# Altium PCB MB1292.PcbDoc (part 3 of 4) (continued)
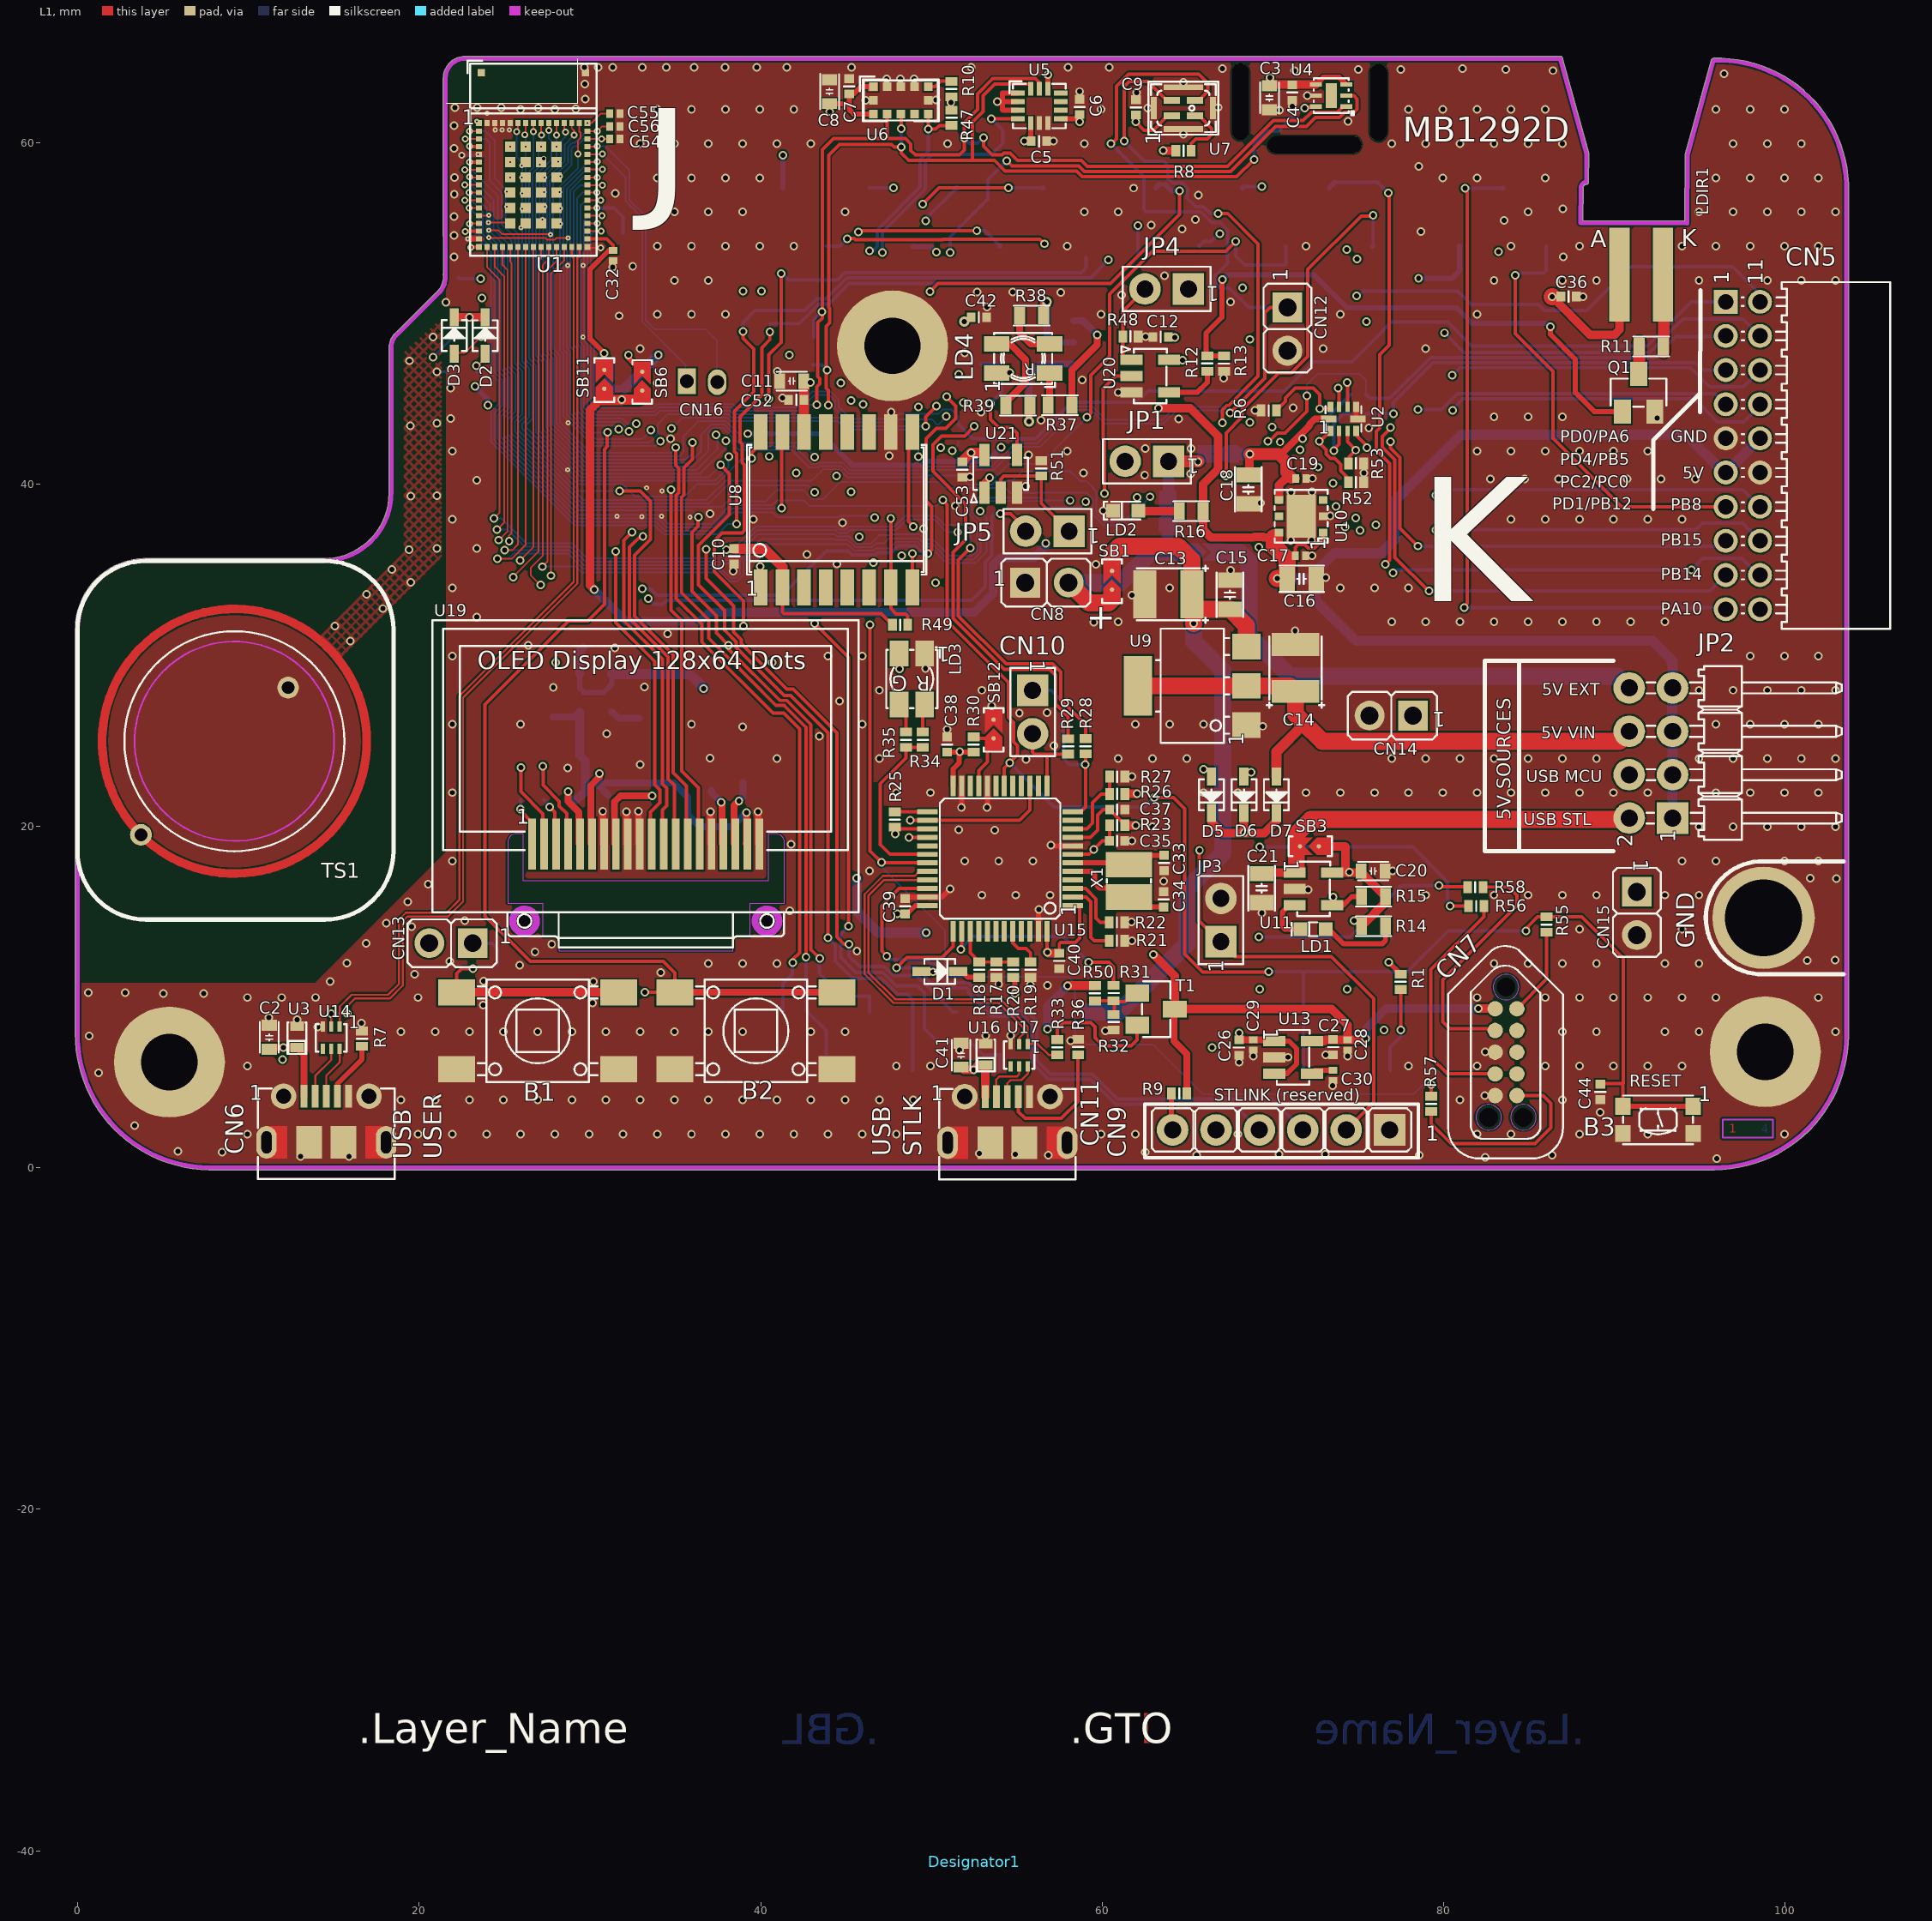
[diagram p0: L1 view]
## Nets (pads, with @x,y where several pads share a name; then routed paths per layer and width w, separated by ;. In a path a pad name is that pad's centre, name@x,y a point inside that pad or via, vN(x,y) a via of type N, cw(c..) or ccw(c..) an arc to the next point about the centre after c; other vN are vias at no path point) (continued)
  L1 w0.3: 30.628,46.714 30.846,46.932 v1(30.846,47.685) 30.846,47.687 30.016,48.517 30.016,52.321 30.017,52.322 30.017,52.611 31.111,53.705 C32.1@31.372,53.705
  L4 w0.3: v1(30.846,47.685) 30.846,47.08 30.811,47.045 SB10.2@30.932,46.924
NetC33_1: C33.1 U15.6 X1.2 | length 5.6
  L1 w0.3: U15.6@58.272,17.841 61.46,17.841 X1.2@61.566,17.735 62.117,18.287 C33.1@63.623,18.287
NetC34_1: C34.1 U15.5 X1.1 | length 5.1
  L1 w0.3: U15.5@58.272,17.341 59.369,17.341 59.559,17.151 59.559,16.643 59.838,16.363 X1.1@60.397,16.363 ; X1.1@61.566,15.835 62.148,15.253 C34.1@63.598,15.253
NetC46_1: C46.1 U19.2 | length 5.5
  L1 w0.2: v1(25.955,23.425) 25.955,22.014 27.249,20.72 U19.2@27.249,18.98
  L4 w0.2: C46.1@25.929,22.931 25.929,23.399 v1(25.955,23.425)
NetC46_2: C46.2 U19.1 | length 2.8
  L1 w0.2: v1(25.929,20.986) 25.929,20.91 26.549,20.291 U19.1@26.549,18.98
  L4 w0.2: v1(25.929,20.986) C46.2@25.929,21.531
NetC47_1: C47.1 U19.3 | length 2.8
  L1 w0.2: v1(27.657,21.113) 27.949,20.821 U19.3@27.949,18.98
  L4 w0.2: C47.1@27.301,21.531 27.657,21.175 v1(27.657,21.113)
NetC47_2: C47.2 U19.4 | length 5.7
  L1 w0.2: v1(27.25,23.501) 27.276,23.526 27.276,22.383 28.207,21.452 28.207,21.175 28.649,20.733 U19.4@28.649,18.98
  L4 w0.2: v1(27.25,23.501) 27.25,22.982 C47.2@27.301,22.931
NetC48_1: C48.1 U19.6 U19.19 | length 18.3
  L1 w0.4: U19.6@30.049,18.98 30.049,22.362 30.552,22.866 v1(30.552,23.069) ; U19.19@39.149,18.98 39.163,18.994 v1(39.163,20.783)
  L4 w0.4: v1(30.552,23.069) C48.1@30.552,22.39 ; C48.1@31.06,21.818 30.52,22.358 C48.1@30.552,22.39 ; v1(39.163,20.783) 38.35,19.97 36.394,19.97 35.734,20.631 35.734,21.697 34.921,22.51 30.672,22.51 C48.1@30.552,22.39
NetC51_1: C51.1 U19.18 | length 3.8
  L1 w0.4: U19.18@38.449,18.98 38.449,21.212 38.731,21.494 v1(38.731,21.469)
  L4 w0.4: v1(38.731,21.469) 38.96,21.697 C51.1@38.96,22.554
NetCN2_1: CN2.1 R1.1 | length 5
  L1 w0.2: R1.1@77.477,10.43 77.495,10.412 v1(77.495,8.066)
  L4 w0.2: CN2.1@76.863,5.69 76.863,7.027 77.495,7.659 v1(77.495,8.066)
NetCN6_2: CN6.2 U14.5 | length 3.2
  L1 w0.12: CN6.2@13.916,4.179 13.916,5.366 14.855,6.305 U14.5@14.855,6.95
NetCN6_3: CN6.3 U14.6 | length 3.1
  L1 w0.12: CN6.3@14.566,4.179 14.566,5.381 15.355,6.17 U14.6@15.355,6.95
NetCN6_4: CN6.4 R7.2 | length 3.5
  L1 w0.3: CN6.4@15.216,4.179 15.216,4.904 16.658,6.346 R7.2@16.658,7.1
NetCN8_2: CN8.2 SB1.1 SB4.1 SB5.1 | length 11.9
  L1 w1: CN8.2@58.036,34.254 59.23,33.06 60.373,33.06 60.576,33.263
  L4 w0.7: 63.832,36.47 63.832,37.74
  L4 w1: CN8.2@58.036,34.254 61.091,34.254 62.869,36.032 64.841,36.032
NetCN9_6: CN9.6 R9.2 | length 2.2
  L1 w0.3: R9.2@64.057,4.34 64.057,2.276 CN9.6@64.126,2.207
NetCN11_2: CN11.2 U17.5 | length 2.9
  L1 w0.12: CN11.2@53.799,4.157 53.799,5.154 53.985,5.34 55.017,5.34 55.139,5.462 U17.5@55.139,5.934
NetCN11_3: CN11.3 U17.6 | length 2.6
  L1 w0.12: CN11.3@54.449,4.157 54.449,4.932 54.637,5.12 55.264,5.12 55.649,5.505 55.649,5.925 U17.6@55.639,5.934
NetCN16_1: CN16.1 U1.43 | length 16.2
  L1 w0.1: U1.43@29.865,59.333 v3@30.702,59.333
  L4 w0.1: v3(30.726,59.357) 32.092,57.991 32.092,56.595 33.075,55.612 33.075,49.528 35.606,46.997 35.606,46.116 CN16.1@35.685,46.037
NetCN16_2: CN16.2 U1.44 | length 19.3
  L1 w0.1: U1.44@29.865,59.783 v3@30.413,59.783
  L1 w0.2: v3@30.413,59.783 v3(30.425,59.795)
  L4 w0.1: v3(30.425,59.795) 30.935,59.795 32.311,58.419 32.311,56.659 33.275,55.695 33.275,49.611 33.814,49.072 36.801,49.072 37.445,48.428 37.445,45.998 CN16.2@37.458,45.985
NetD1_2: D1.2 R18.2 | length 0.9
  L1 w0.3: D1.2@51.964,11.309 52.135,11.138 R18.2@52.807,11.138
NetJP2_8: JP2.8 SB4.2 | length 29.6
  L4 w1: 67.072,36.028 68.051,36.028 68.057,36.034 68.601,35.49 68.601,31.163 70.983,28.781 90.165,28.781 JP2.8@90.86,28.086
NetJP4_2: JP4.2 R48.1 U20.1 | length 4.6
  L1 w0.2: U20.1@61.185,47.443 61.209,47.467 R48.1@61.209,48.661 61.209,50.149 JP4.2@62.507,51.447
NetJP5_1: JP5.1 R51.2 U21.2 | length 7.1
  L1 w0.2: U21.2@54.052,39.523 54.052,40.303 54.241,40.492 R51.2@56.432,40.492 56.432,38.895 JP5.1@58.063,37.264
NetLD1_1: LD1.1 R14.1 | length 4.8
  L1 w0.3: LD1.1@73.098,13.959 73.276,13.959 74.14,13.095 76.4,13.095 76.592,13.287 R14.1@76.592,14.137
NetLD1_2: LD1.2 U11.3 | length 2.9
  L1 w0.3: U11.3@71.27,15.371 70.955,15.371 70.558,14.975 70.558,14.086 70.685,13.959 LD1.2@71.598,13.959
NetLD2_1: LD2.1 R16.1 | length 2.4
  L1 w0.5: LD2.1@62.128,38.468 62.154,38.442 R16.1@64.511,38.442
NetLD3_2: LD3.2 R34.1 | length 1.7
  L1 w0.2: R34.1@49.501,25.5 49.501,27.005 LD3.2@49.604,27.108
NetLD3_3: LD3.3 R35.1 | length 1.8
  L1 w0.2: LD3.3@48.104,27.108 48.51,26.701 R35.1@48.51,25.5
NetLD4_2: LD4.2 R39.1 | length 5.1
  L1 w0.4: LD4.2@53.82,48.227 54.596,48.227 55.519,47.305 55.519,45.977 R39.1@54.354,44.812
NetLD4_3: LD4.3 R37.1 | length 1.9
  L1 w0.4: R37.1@56.829,44.634 56.92,44.725 LD4.3@56.92,46.527
NetLD4_4: LD4.4 R38.1 | length 3
  L1 w0.4: R38.1@55.167,49.892 55.167,48.876 55.815,48.227 LD4.4@56.92,48.227
NetLDIR1_2: LDIR1.2 R11.1 | length 3.6
  L1 w0.3: LDIR1.2@92.836,52.29 LDIR1.2@92.858,52.268
  L1 w0.7: R11.1@92.888,47.757 LDIR1.2@92.888,51.357
NetQ1_1: Q1.1 R12.1 R13.2 | length 34.2
  L1 w0.3: v1(67.047,52.006) 67.006,51.965 67.006,49.785 66.08,48.859 66.08,47.536 R13.2@67.135,47.536 ; v1(86.251,49.241) 86.251,48.781 87.713,47.319 87.713,45.375 88.817,44.271 Q1.1@90.458,44.271
  L4 w0.3: v1(67.047,52.006) 67.307,52.266 72.407,52.266 74.327,50.346 80.751,50.346 81.661,49.436 86.056,49.436 v1(86.251,49.241)
NetQ1_3: Q1.3 R11.2 | length 1.1
  L1 w0.7: 91.445,47.244 R11.2@91.445,48.337
NetR8_1: R8.1 U7.2 | length 3.5
  L1 w0.2: R8.1@65.215,59.54 65.215,59.964 65.48,60.229 66.154,60.229 66.419,60.494 66.419,60.845 65.682,61.582 U7.2@65.427,61.582
NetR10_2: R10.2 U6.5 | length 1.5
  L1 w0.2: U6.5@49.807,63.288 50.215,63.288 50.554,63.627 51.142,63.627 R10.2@51.172,63.597
NetR12_2: R12.2 U20.4 | length 3.1
  L1 w0.3: U20.4@63.911,45.397 65.576,45.397 66.15,45.971 R12.2@66.15,46.628
NetR19_2: R19.2 U15.44 | length 2.5
  L1 w0.2: U15.44@54.772,13.841 54.772,13.15 55.089,12.833 55.546,12.833 55.805,12.574 R19.2@55.805,12.038
NetR21_1: R21.1 U15.2 | length 4.4
  L1 w0.2: U15.2@58.272,15.841 59.066,15.841 59.33,15.576 59.33,13.493 59.534,13.29 R21.1@60.412,13.29
NetR22_2: R22.2 U15.3 | length 3.6
  L1 w0.2: U15.3@58.272,16.341 59.023,16.341 59.635,15.728 59.635,14.611 59.889,14.357 R22.2@60.412,14.357
NetR30_1: R30.1 SB12.1 U15.21 | length 3.9
  L1 w0.2: R30.1@52.472,25.221 52.567,25.126 SB12.1@53.641,25.126 ; U15.21@52.772,22.341 52.772,23.241 53.285,23.755 53.285,24.847
NetR31_1: R31.1 R32.2 R50.1 T1.1 | length 2.9
  L1 w0.2: R50.1@59.575,9.754 59.589,9.768 R31.1@60.673,9.768 ; R32.2@60.724,8.922 60.724,9.717 61.341,9.717 T1.1@61.588,9.964
NetR33_2: R33.2 T1.2 | length 7.4
  L1 w0.2: R33.2@57.374,7.497 57.374,8.137 57.727,8.49 59.327,8.49 59.581,8.236 59.581,7.601 60.064,7.119 61.689,7.119 62.055,7.484 T1.2@62.055,8.328
NetR37_2: R37.2 U18.1 | length 6.5
  L1 w0.4: R37.2@58.229,44.634 58.229,46.698 59.705,48.174 v1(59.705,48.768)
  L4 w0.4: U18.1@58.324,49.587 58.886,49.587 v1(59.705,48.768)
NetR38_2: R38.2 U18.2 | length 4.7
  L1 w0.4: R38.2@56.567,49.892 56.567,50.632 56.623,50.688 v5(56.759,50.688)
  L4 w0.4: v5(56.759,50.688) 56.767,50.68 56.767,48.698 57.148,48.317 U18.2@58.324,48.317
NetR39_2: R39.2 U18.3 | length 6.5
  L1 w0.4: v5(55.726,43.694) 55.726,44.569 R39.2@55.765,44.609
  L4 w0.4: v5@55.726,43.644 v5(55.726,43.694) 55.726,46.361 56.411,47.047 U18.3@58.324,47.047
NetR41_2: R41.2 TS1.1 | length 24.5
  L2 w0.15: TS1.1@12.331,28.106 12.392,28.106 20.296,36.01 20.296,46.945 20.807,47.456 v1(20.813,47.456)
  L4 w0.15: v1(20.813,47.456) 21.918,48.561 R41.2@21.984,48.561
NetR43_2: R43.2 U19.17 | length 3.4
  L1 w0.4: v1(37.698,21.384) 37.681,21.384 37.664,21.367 37.749,21.283 U19.17@37.749,18.98
  L4 w0.4: R43.2@37.105,22.09 37.105,21.977 v1(37.698,21.384)
NetU18_6: U18.6 U21.4 | length 7.7
  L1 w0.2: v1(53.465,44.748) 53.465,43.808 53.927,43.346 54.66,43.346 55.002,43.004 U21.4@55.002,41.723
  L4 w0.2: U18.6@52.924,47.047 53.851,47.047 54.095,46.803 54.095,45.378 v1(53.465,44.748)
NRST: B3.1 B3.3 C44.1 CN2.3 R55.2 U1.10 U15.18 | length 132.6
  L1 w0.1: v3@22.949,57.083 U1.10@23.515,57.083
  L1 w0.2: v3(22.934,57.098) v3@22.949,57.083 ; v1(50.67,39.087) 50.933,38.824 50.933,31.988 54.499,28.422 54.499,26.372 54.802,26.069 54.802,24.94 55.048,24.694 55.048,24.171 54.272,23.395 U15.18@54.272,22.341 ; v1(63.039,21.664) 64.174,21.664 64.832,21.006 64.832,12.501 65.88,11.453 69.746,11.453 v7(69.756,11.463) ; v1(84.819,13.856) 84.819,13.937 84.931,14.05 84.931,14.121 85.49,14.68 R55.2@86.023,14.68 86.033,14.69 88.079,14.69 90.504,12.265 90.504,4.934 ; C44.1@89.169,4.88 89.216,4.927 90.497,4.927 B3.3@90.497,3.595
  L1 w0.3: B3.3@90.497,3.595 B3.1@94.597,3.595
  L4 w0.1: v3(22.934,57.098) 23.015,57.098 23.965,56.148 23.965,54.708 24.797,53.876 24.797,46.756 25.25,46.303 25.25,44.45 24.797,43.997 24.797,42.764 29.353,38.208 34.072,38.208 34.601,37.679 37.122,37.679 38.237,38.794 40.682,38.794 40.963,39.075 42.514,39.075 42.841,38.748 50.314,38.748 v1@50.641,39.075
  L4 w0.2: v1(50.67,39.087) v1@50.685,39.087 ; v1(54.578,23.704) 57.17,21.112 62.487,21.112 v1(63.039,21.664) ; v7(69.756,11.463) 71.755,11.463 ; CN2.3@71.783,5.69 71.783,11.435 71.755,11.463 ; v1(84.819,13.856) 80.258,13.856 77.865,11.463 71.755,11.463
PWR_ENn: R15.1 U11.4 U15.28 | length 30
  L1 w0.2: v1@48.71,19.341 U15.28@49.772,19.341
  L1 w0.3: v1(48.697,19.328) v1@48.71,19.341 ; U11.4@73.47,15.371 74.13,15.371 74.622,15.864 R15.1@75.192,15.864
  L3 w0.2: v1(48.697,19.328) 48.697,18.085 49.392,17.39 71.979,17.39 v1(73.53,15.839)
PWR_EXT: R17.2 R18.1 R20.1 U15.39 | length 4
  L1 w0.2: U15.39@52.272,13.841 52.272,12.574 R18.1@52.807,12.038 R17.2@53.798,12.038 R20.1@54.789,12.038
QSPI_BK_IO0: U1.11 U8.15 U20.2 | length 68.2
  L1 w0.1: v3(22.668,56.634) 22.669,56.633 U1.11@23.515,56.633 ; U8.15@41.219,43.01 U8.15@41.271,43.062
  L1 w0.2: v1(41.219,38.612) U8.15@41.219,43.01 ; v1(60.125,39.469) 60.125,42.606 60.056,42.675 60.056,45.615 60.788,46.347 U20.2@61.711,46.347
  L2 w0.1: v1(41.219,38.612) 41.355,38.748 41.755,38.348 44.553,38.348 44.556,38.351 45.054,38.351 45.057,38.348 46.121,38.348 46.424,38.651 47.137,38.651 47.288,38.802 49.08,38.802 49.531,38.351 51.729,38.351 52.257,38.879 55.628,38.879 56.417,39.668 58.401,39.668 58.472,39.597 59.997,39.597 v1(60.125,39.469)
  L4 w0.1: v3(22.668,56.634) 23.055,56.634 23.734,55.955 23.734,54.654 24.48,53.908 24.597,53.791 24.597,46.673 25.05,46.22 25.05,44.533 24.597,44.08 24.597,42.681 29.27,38.008 33.988,38.008 34.517,37.479 37.205,37.479 38.32,38.594 40.765,38.594 40.783,38.612 v1(41.219,38.612)
QSPI_BK_IO1: U1.80 U8.8 | length 42.7
  L1 w0.1: v1(48.891,35.943) v1(48.891,35.943)
  L1 w0.2: U8.8@48.891,33.962 U8.8@48.891,33.971 v1(48.891,35.943)
  L2 w0.1: v2(26.039,56.144) 26.039,55.82 26.276,55.583 26.276,54.166 26.805,53.637 26.805,40.055 31.204,35.656 36.991,35.656 37.121,35.786 38.489,35.786 39.04,36.337 44.873,36.337 44.877,36.333 48.501,36.333 v1(48.891,35.943)
QSPI_BK_IO2: U1.81 U8.9 | length 45.1
  L1 w0.1: U8.9@48.651,42.822 U8.9@48.891,43.062
  L1 w0.2: U8.9@48.651,42.822 48.651,37.825 v1(48.945,37.531)
  L2 w0.1: v2(27.367,56.261) 27.513,56.115 27.513,54.866 27.351,54.704 27.351,54.533 27.805,54.079 27.805,40.469 31.206,37.068 32.017,37.068 32.569,36.516 35.821,36.516 36.46,37.155 44.552,37.155 44.556,37.151 45.435,37.151 45.617,37.333 45.949,37.333 46.022,37.26 48.674,37.26 v1(48.945,37.531)
QSPI_BK_IO3: U1.67 U8.1 | length 31.5
  L1 w0.1: U1.67@26.24,55.039 U1.67@26.24,55.283
  L2 w0.1: v2(25.976,55.045) 25.976,54.183 26.605,53.554 26.605,39.972 31.121,35.456 36.815,35.456 37.748,34.523 39.298,34.523 v1(39.977,35.202)
QSPI_BK_NCS: R49.1 U1.70 U8.7 | length 43.9
  L1 w0.1: v1(47.619,38.002) v1@47.621,38.004
  L1 w0.2: v1@47.621,38.004 U8.7@47.621,33.971 47.621,32.743 47.94,32.424 48.474,32.424 48.616,32.282 R49.1@48.616,31.779
  L2 w0.1: v2(28.273,56.168) 28.571,55.87 28.571,55.145 28.5,55.074 28.5,54.7 28.405,54.605 28.405,40.717 31.348,37.774 32.182,37.774 32.21,37.802 32.766,37.802 32.889,37.679 38.041,37.679 38.437,38.075 38.769,38.075 39.489,37.355 44.635,37.355 44.639,37.351 45.352,37.351 45.534,37.533 46.032,37.533 46.105,37.46 47.077,37.46 v1(47.619,38.002)
QSPI_BK_SCK: U1.56 U8.16 | length 36.6
  L1 w0.1: v3(25.725,60.661) 25.79,60.726 U1.56@25.79,61.158
  L1 w0.2: v1(39.464,41.52) 39.464,41.861 40.001,42.398 U8.16@40.001,43.062
  L4 w0.1: v3(25.725,60.661) 25.725,59.16 26.04,58.845 26.04,47.21 26.45,46.8 26.45,43.953 26.04,43.543 26.04,43.278 29.292,40.026 31.561,40.026 31.562,40.027 31.894,40.027 32.627,39.294 35.537,39.294 36.269,40.026 37.153,40.026 37.427,40.026 38.906,41.505 39.478,41.505 39.57,41.597 39.464,41.703 v1(39.464,41.52)
RST_DISP: U1.83 U19.12 | length 43.1
  L1 w0.2: v1(32.459,37.202) 31.992,36.735 31.992,32.024 34.249,29.767 34.249,22.478 34.505,22.222 34.505,21.194 34.249,20.938 U19.12@34.249,18.98
  L2 w0.1: v2(27.347,57.98) 27.347,57.543 27.928,56.962 27.928,54.831 28.005,54.754 28.005,40.552 31.289,37.268 32.393,37.268 v1(32.459,37.202)
SAI1_CK2: CN12.1 U1.50 U7.3 | length 101.8
  L1 w0.1: U1.50@28.49,61.158 28.49,60.81 28.586,60.714 v3(28.586,60.633)
  L1 w0.2: v1@60.509,59.901 60.844,60.236 60.844,63.322 61.548,64.026 65.663,64.026 66.187,63.502 66.187,63.009 65.66,62.482 U7.3@65.427,62.482 ; v1(67.488,44.177) 69.522,46.211 69.522,50.053 69.836,50.367 CN12.1@70.846,50.367
  L4 w0.1: v3(28.586,60.633) 28.586,60.381 28.329,60.124 28.329,59.032 27.259,57.962 27.259,47.688 27.65,47.297 27.65,43.392 29.797,41.245 35.811,41.245 36.5,41.934 36.5,42.886 37.132,43.518 37.867,43.518 38.574,42.811 38.574,42.563 38.897,42.24 41.964,42.24 42.999,41.205 43.331,41.205 43.412,41.286 44.782,41.286 45.235,40.833 49.571,40.833 49.796,41.058 53.534,41.058 54.489,42.013 54.489,42.016 54.872,42.399 56.193,42.399 56.193,42.415 58.334,44.556 59.439,44.556 60.22,43.775 63.507,43.775 64.275,44.543 67.122,44.543 67.429,44.236 v1(67.488,44.177)
  L4 w0.2: v1(60.508,59.954) 62.439,58.023 62.439,56.09 62.556,55.973 65.791,55.973 66.441,55.323 66.903,55.323 67.342,54.884 67.342,52.954 66.597,52.209 66.597,51.82 66.915,51.502 67.452,51.502 68.587,50.367 CN12.1@70.846,50.367
SAI1_DI2: CN14.1 U1.51 U7.4 | length 120.1
  L1 w0.1: v3@28.04,60.481 U1.51@28.04,61.158
  L1 w0.2: v3@28.04,60.481 v3(28.059,60.462) ; v1(61.294,60.107) 61.294,63.294 61.589,63.589 62.677,63.589 63.784,62.482 U7.4@64.077,62.482 ; v1(66.792,55.861) 67.353,55.861 69.124,54.09 69.124,46.339 67.412,44.627 67.302,44.627 67.034,44.359 v1(67.034,43.605)
  L3 w0.2: v1(67.034,43.605) 67.034,41.935 68.292,40.677 68.292,30.494 69.996,28.79 77.661,28.79 78.2,28.251 CN14.1@78.2,26.468
  L4 w0.1: v3(28.059,60.462) 28.059,59.045 27.057,58.043 27.057,47.607 27.45,47.214 27.45,43.307 29.712,41.045 36.018,41.045 36.944,41.971 36.944,43.047 37.215,43.318 37.784,43.318 38.374,42.728 38.374,42.376 38.71,42.04 41.8,42.04 42.835,41.005 43.414,41.005 43.495,41.086 44.7,41.086 45.153,40.633 49.654,40.633 49.879,40.858 53.649,40.858 54.99,42.199 56.361,42.199 58.518,44.356 59.356,44.356 60.14,43.572 63.587,43.572 64.358,44.343 66.829,44.343 67.034,44.138 v1(67.034,43.605)
  L4 w0.2: v1(61.294,60.107) 62.475,58.926 63.598,58.926 63.855,58.669 63.855,57.897 64.118,57.634 64.715,57.634 64.979,57.37 64.979,56.773 65.479,56.273 65.915,56.273 66.327,55.861 v1(66.792,55.861)
Shield: R40.2 TS1.2 | length 51.8
  L2 w0.15: 12.708,29.34 v1(15.073,31.705) ; 12.713,29.335 ccw(c12.328,28.094) 13.587,28.417 ; 13.577,28.427 v1(15.977,30.826) 15.987,30.826 v1(17.888,32.727) 19.439,34.278 v1(19.502,34.278) 19.502,34.375 21.045,35.918 v1(21.045,36.249) v1(21.045,46.596) ; v1@15.066,31.681 v1(18.405,35.019) 19.404,36.019 v1(19.404,36.188) 19.404,43.343 v1(19.49,43.429) 19.467,43.452 19.467,47.329 20.779,48.641 v1(20.825,48.641)
  L4 w0.15: v1(21.045,46.596) 21.694,46.596 R40.2@21.855,46.435
  other v1: 16.931,33.562 19.502,39.322 21.045,39.35 21.045,43.575 19.444,47.238
STLK_RST: C35.2 CN9.2 JP3.1 R23.1 U15.7 | length 34.2
  L1 w0.2: U15.7@58.272,18.341 59.225,18.341 v1(59.508,18.624) 60.016,19.132 C35.2@60.423,19.132 60.448,19.157 60.448,20.046 R23.1@60.43,20.046 ; v1(65.697,18.57) 65.677,18.57 65.677,14.446 67.76,12.363 68.171,12.363 73.426,12.363 75.899,9.89 75.899,3.82 CN9.2@74.286,2.207
  L3 w0.2: v1(59.508,18.624) 59.562,18.57 v1(65.697,18.57)
STLK_RX: CN10.2 R29.2 U15.13 | length 5.1
  L1 w0.2: CN10.2@55.927,25.406 55.927,24.333 56.048,24.212 56.772,24.212 ; U15.13@56.772,22.341 56.772,24.212 ; R29.2@58.01,24.212 56.772,24.212
STLK_SWCLK: CN9.4 U15.37 | length 31.4
  L1 w0.2: v1(47.951,11.69) 48.561,12.299 50.618,12.299 51.272,12.953 U15.37@51.272,13.841
  L4 w0.2: v1(47.951,11.69) 49.113,11.69 50.277,10.526 52.054,10.526 52.171,10.409 52.171,10.213 53.529,8.855 55.435,8.855 55.857,8.433 55.857,6.166 56.842,5.181 59.311,5.181 60.781,3.711 67.701,3.711 CN9.4@69.206,2.207
STLK_SWDIO: CN9.3 U15.34 | length 36.5
  L1 w0.2: v1(47.392,12.376) 47.094,12.674 47.094,15.335 48.1,16.341 U15.34@49.772,16.341
  L4 w0.2: v1(47.392,12.376) 47.585,12.183 49.71,12.183 49.982,11.911 50.271,11.911 50.535,11.648 50.535,11.195 50.904,10.826 52.178,10.826 52.471,10.533 52.471,10.337 53.653,9.155 55.579,9.155 56.158,8.576 56.158,6.289 56.966,5.481 59.435,5.481 60.898,4.018 69.934,4.018 CN9.3@71.746,2.207
STLK_TX: CN10.1 R28.1 U15.12 | length 10.8
  L1 w0.2: U15.12@58.272,20.841 58.753,20.841 59.026,21.113 R28.1@59.026,24.219
  L4 w0.2: CN10.1@55.927,27.946 57.01,27.946 57.72,27.236 57.72,23.968 58.086,23.602 v1(59,23.602)
STMOD+.ADC1_IN5: CN5.13 U1.3 | length 104.6
  L1 w0.1: v3(22.692,60.241) 23.507,60.241 U1.3@23.515,60.233
  L2 w0.1: v1(62.044,39.233) 62.398,38.879 62.974,38.879 63.114,39.019 68.329,39.019 70.547,41.237 71.792,41.237 72.166,41.611 73.352,41.611 73.393,41.57 73.725,41.57 73.791,41.636 74.668,41.636 74.689,41.615 77.289,41.615 79.489,43.815 79.489,45.385 v1@80.489,46.385
  L4 w0.1: v3(22.692,60.241) 23.906,60.241 24.121,60.026 24.121,57.807 24.836,57.092 24.836,55.255 25.607,54.484 25.607,47.078 26.05,46.635 26.05,44.118 25.607,43.675 25.607,43.099 29.612,39.094 36.829,39.094 37.951,40.216 42.982,40.216 43.652,40.886 44.617,40.886 45.07,40.433 49.737,40.433 49.828,40.524 51.613,40.524 52.133,40.004 53.577,40.004 53.777,40.204 54.729,40.204 55.293,40.768 58.149,40.768 58.72,40.197 59.052,40.197 59.061,40.206 59.658,39.609 59.658,38.297 60.142,37.813 61.306,37.813 62.044,38.551 v1(62.044,39.233)
  L4 w0.2: v1(80.499,46.386) 80.949,46.836 94.459,46.836 95.566,45.729 97.55,45.729 CN5.13@98.518,46.697
STMOD+.GPIO1: CN5.17 U1.23 | length 101.8
  L1 w0.1: v1(24.592,35.64) 25.42,35.64 26.24,36.46 U1.23@26.24,53.908
  L2 w0.1: v1(59.042,38.987) 59.111,39.056 59.572,39.056 59.765,38.863 60.224,38.863 60.424,38.663 61.729,38.663 61.985,38.407 72.113,38.407 73.079,39.373 v1(79.542,39.373)
  L4 w0.1: v1(24.592,35.64) 25.231,35.64 25.548,35.957 28.704,35.957 29.593,35.068 37.687,35.068 38.227,34.528 38.559,34.528 38.793,34.762 38.793,35.574 40.02,36.801 44.341,36.801 44.391,36.751 45.116,36.751 45.534,36.333 46.538,36.333 46.758,36.553 47.22,36.553 47.51,36.843 49.264,36.843 49.565,36.542 50.04,36.542 50.992,35.59 52.438,35.59 52.887,36.039 52.887,37.841 52.379,38.349 52.379,38.857 52.55,39.028 56.354,39.028 56.728,38.654 58.709,38.654 v1(59.042,38.987)
  L4 w0.2: v1(79.542,39.373) 79.585,39.373 79.91,39.698 97.517,39.698 CN5.17@98.518,38.697
STMOD+.GPIO2: CN5.18 U1.22 | length 100.1
  L1 w0.1: v1(25.003,36.145) 25.441,36.145 25.79,36.494 U1.22@25.79,53.908
  L2 w0.1: v1(58.115,39.054) 58.582,38.587 59.368,38.587 59.892,38.063 60.224,38.063 60.296,38.135 72.284,38.135 73.274,39.125 74.578,39.125 76.022,37.681 v1(76.022,37.63)
  L3 w0.2: v1(76.022,37.63) 76.313,37.339 v1(79.535,37.339)
  L4 w0.1: v1(25.003,36.145) 25.015,36.157 28.787,36.157 29.676,35.268 37.884,35.268 38.002,35.386 38.322,35.386 38.791,35.855 38.791,36.044 39.817,37.07 44.355,37.07 44.474,36.951 45.136,36.951 45.168,36.982 45.617,36.533 46.455,36.533 46.965,37.043 47.587,37.043 47.618,37.074 49.316,37.074 49.599,36.791 50.088,36.791 51.046,35.833 52.398,35.833 52.687,36.122 52.687,37.758 52.179,38.266 52.179,38.94 52.467,39.228 56.437,39.228 56.611,39.054 v1(58.115,39.054)
  L4 w0.2: v1(79.535,37.339) 79.543,37.347 94.765,37.347 95.146,37.728 97.487,37.728 CN5.18@98.518,36.697
STMOD+.INT: CN5.11 U1.72 | length 99.5
  L2 w0.1: v2(28.273,58.042) 29.254,57.061 29.254,53.656 29.523,53.387 29.766,53.387 30.133,53.02 30.133,48.458 30.093,48.418 30.093,48.416 29.8,48.123 29.798,48.123 29.645,47.97 29.645,41.167 31.03,39.782 31.03,39.293 31.429,38.894 35.082,38.894 35.177,38.989 41.03,38.989 41.121,39.08 41.419,39.08 41.951,38.548 44.471,38.548 44.474,38.551 45.136,38.551 45.139,38.548 46.039,38.548 46.493,39.002 50.019,39.002 50.504,39.487 50.836,39.487 51.158,39.165 55.631,39.165 56.335,39.869 58.483,39.869 58.555,39.797 59.217,39.797 59.289,39.869 60.466,39.869 60.655,39.68 68.136,39.68 70.379,41.923 70.379,42.492 v1(70.417,42.492)
  L3 w0.2: v1(70.417,42.492) 70.417,42.951 72.626,45.16 72.626,45.845 74.477,47.696 74.477,50.624 v1(74.898,51.045)
  L4 w0.2: v1(74.898,51.045) 74.979,51.045 75.24,51.306 80.839,51.306 81.599,50.546 85.532,50.546 85.898,50.18 88.389,50.18 90.947,52.738 96.906,52.738 98.288,51.356 98.288,50.927 CN5.11@98.518,50.697
STMOD+.LPUART1_CTS: R2.1 U1.53 | length 45.8
  L1 w0.1: v3@27.14,60.477 U1.53@27.14,61.158
  L1 w0.2: v3@27.14,60.477 v3(27.159,60.458)
  L2 w0.1: v1(37.974,42.562) 40.381,42.562 40.724,42.219 49.763,42.219 50.236,41.746 51.003,41.746 51.219,41.962 v1(51.219,41.985)
  L4 w0.1: v3(27.159,60.458) 27.159,60.022 26.982,59.845 26.982,58.538 26.64,58.196 26.64,47.459 27.05,47.049 27.05,43.117 29.541,40.626 31.313,40.626 31.314,40.627 36.459,40.627 37.974,42.142 v1(37.974,42.562) ; v1(51.219,41.985) 51.58,42.346 R2.1@51.58,42.542
STMOD+.LPUART1_RTS: R5.1 U1.41 | length 40.2
  L1 w0.1: U1.41@29.865,58.433 29.886,58.454 v3(30.73,58.454)
  L2 w0.1: v1(33.578,43.177) 33.883,43.482 34.429,43.482 34.621,43.674 34.953,43.674 35.145,43.482 39.916,43.482 40.979,42.419 50.26,42.419 v1(50.533,42.146) v1@50.545,42.134
  L4 w0.1: v3(30.73,58.454) 29.797,58.454 28.659,57.316 28.659,47.985 28.85,47.794 28.85,44.172 30.37,42.652 33.053,42.652 v1(33.578,43.177) ; v1(50.533,42.146) R5.1@50.533,42.342
STMOD+.LPUART1_RX: R4.1 U2.2 | length 4.1
  L1 w0.2: v1(73.559,41.97) 73.559,42.041 73.875,42.357 U2.2@73.875,43.14
  L4 w0.2: v1(73.559,41.97) 73.559,43.579 74.112,44.132 R4.1@74.567,44.132
STMOD+.LPUART1_TX: R3.1 R52.2 U2.1 | length 7.2
  L1 w0.2: v1@72.757,42.374 73.109,42.022 73.109,41.784 73.373,41.52 73.611,41.52 73.96,41.171 73.96,40.797 74.415,40.342 R52.2@74.415,40.133 ; v1@72.923,42.688 U2.1@73.375,43.14
  L4 w0.2: v1(72.723,42.54) 72.741,42.54 73.194,42.993 73.194,43.915 R3.1@74.556,45.277
STMOD+.RST: CN5.12 U1.75 | length 105.2
  L2 w0.1: v2(27.14,59.783) 27.708,59.215 27.708,57.846 28.148,57.406 28.354,57.406 29.054,56.706 29.054,53.573 29.475,53.153 29.717,53.153 29.917,52.953 29.917,48.525 29.893,48.501 29.893,48.499 29.717,48.323 29.715,48.323 29.445,48.053 29.445,41.084 30.83,39.699 30.83,39.21 31.346,38.694 35.165,38.694 35.26,38.789 36.867,38.789 ; 36.885,38.789 40.476,38.789 41.117,38.148 44.636,38.148 44.639,38.151 44.971,38.151 44.974,38.148 46.204,38.148 46.507,38.451 47.219,38.451 47.37,38.602 48.769,38.602 49.22,38.151 51.812,38.151 51.851,38.19 52.538,38.19 52.686,38.042 53.018,38.042 53.166,38.19 53.561,38.19 53.872,37.879 54.204,37.879 54.804,38.479 55.794,38.479 55.886,38.387 59.217,38.387 59.847,37.757 60.201,37.757 60.331,37.887 72.489,37.887 73.327,38.725 v1(73.703,38.725) ; v1@72.65,40.92 v1(72.65,41.011) ; v1@73.343,40.227 v1@73.534,40.227 ; v1@80.015,48.845 80.048,48.812 v1@80.062,48.812
  L2 w0.2: v1@72.65,40.92 v1@73.343,40.227 ; v1(75.469,49.535) 79.377,49.535 v1(80.041,48.871)
  L3 w0.1: v1@75.452,49.518 v1(75.469,49.535)
  L3 w0.2: v1(72.65,41.011) 72.65,41.771 73.213,42.334 73.213,45.874 75.452,48.113 v1@75.452,49.518 ; v1(73.516,40.08) 73.516,39.512 73.703,39.325 v1(73.703,38.725)
  L4 w0.2: v1(80.041,48.871) 81.176,47.736 92.068,47.736 94.015,49.683 97.532,49.683 CN5.12@98.518,48.697
STMOD+.SPI2_MISO: CN5.3 R4.2 U1.8 | length 101.1
  L1 w0.1: v3@22.988,57.983 U1.8@23.515,57.983
  L1 w0.2: v3(22.962,58.009) v3@22.988,57.983
  L2 w0.1: v1(62.808,39.279) 68.214,39.279 70.452,41.517 71.789,41.517 72.083,41.811 72.834,41.811 73.588,42.565 75.773,42.565 76.461,41.877 77.069,41.877 77.289,42.097 77.289,43.913 v1(77.054,44.148)
  L4 w0.1: v3(22.962,58.009) 23.013,58.009 24.365,56.657 24.365,54.955 25.197,54.123 25.197,46.922 25.65,46.469 25.65,44.284 25.197,43.831 25.197,42.929 29.432,38.694 37.742,38.694 38.057,39.009 40.28,39.009 40.945,39.674 42.48,39.674 43.006,39.148 43.679,39.148 44.684,40.153 45.038,40.153 45.042,40.157 45.54,40.157 45.544,40.153 50.434,40.153 50.783,39.804 54.329,39.804 54.638,39.495 56.015,39.495 56.03,39.51 59.085,39.51 59.458,39.137 59.458,38.214 60.059,37.613 61.142,37.613 61.389,37.613 62.244,38.468 62.244,38.715 v1(62.808,39.279)
  L4 w0.2: R4.2@75.467,44.132 77.07,44.132 v1(77.054,44.148) 77.054,44.813 79.377,47.136 94.752,47.136 95.193,46.695 96.516,46.695 CN5.3@96.518,46.697
STMOD+.SPI2_MISO2: CN5.9 U1.37 | length 92.1
  L1 w0.1: U1.37@29.865,56.633 29.866,56.634 v3(30.64,56.634)
  L1 w0.2: v1(76.872,43.337) 76.872,43.273 76.409,42.81 76.409,42.177 77.137,41.449 77.137,35.737 79.106,33.768 v1(79.152,33.768)
  L2 w0.1: v1(32.722,43.569) 33.224,44.071 34.453,44.071 34.456,44.074 35.118,44.074 35.121,44.071 40.468,44.071 41.72,42.819 52.676,42.819 52.901,43.044 60.341,43.044 60.713,43.417 66.6,43.417 66.871,43.146 68.859,43.146 69.663,43.95 76.553,43.95 76.872,43.631 v1(76.872,43.337)
  L4 w0.1: v3(30.64,56.634) 29.74,56.634 29.459,56.353 29.459,48.317 29.65,48.126 29.65,44.505 30.286,43.868 31.891,43.868 32.18,43.58 32.711,43.58 v1(32.722,43.569)
  L4 w0.2: v1(79.152,33.768) 95.589,33.768 CN5.9@96.518,34.697

## Text inside footprints (layer, text, board x,y; h text height)
Designator1: M20-Top Title Box "Project: '.Board_Name'" at 8.427,-29.208 h3; M20-Top Title Box "Rev: '.Board_PCB_Revision'" at 48.486,-44.292 h3; M20-Top Title Box "Ref: '.Board_Reference'" at 48.543,-39.292 h3; M20-Top Title Box "Date: '.Board_Document_Date'" at 8.427,-44.292 h3; M20-Top Title Box "R" at 93.923,-41.775 h1.52; M20-Top Title Box "Layer:" at 8.427,-34.292 h3; M20-Top Title Box "Gerber:" at 48.416,-34.292 h3; M20-Top Title Box "Variant: '.VariantName'" at 8.427,-39.292 h3; M21-Bottom Title Box "Variant: '.VariantName'" at 96.233,-39.292 h3; M21-Bottom Title Box "Gerber:" at 56.244,-34.292 h3; M21-Bottom Title Box "Layer:" at 96.233,-34.292 h3; M21-Bottom Title Box "R" at 11.118,-41.775 h1.52; M21-Bottom Title Box "Date: '.Board_Document_Date'" at 96.233,-44.292 h3; M21-Bottom Title Box "Ref: '.Board_Reference'" at 56.244,-39.292 h3; M21-Bottom Title Box "Rev: '.Board_PCB_Revision'" at 56.301,-44.292 h3; M21-Bottom Title Box "Project: '.Board_Name'" at 96.233,-29.208 h3
HW6: M15-Bottom Assembly "Product 25x9 sticker" at 39.612,37.386 h1.5; Bottom Overlay "Product 25x9 sticker" at 39.612,37.403 h1.5
HW7: M15-Bottom Assembly "Board 25x9 sticker" at 58.609,19.215 h1.5; Bottom Overlay "Board 25x9 sticker" at 58.609,19.232 h1.5
JP1: M14-Top Assembly "1" at 63.682,40.891 h1.5; Top Overlay "1" at 65.694,41.805 h1.5 r180
JP2: M14-Top Assembly "2" at 91.334,20.124 h1.5 r90; M14-Top Assembly "1" at 93.884,20.267 h1.5 r90; M14-Top Assembly "7" at 93.908,27.794 h1.5 r90; M14-Top Assembly "8" at 91.358,27.794 h1.5 r90; Top Overlay "1" at 93.862,19.007 h1.5 r90; Top Overlay "2" at 91.362,18.771 h1.5 r90
JP3: M14-Top Assembly "1" at 67.476,12.968 h1.5 r90; Top Overlay "1" at 67.401,11.418 h1.5 r90
JP4: M14-Top Assembly "1" at 64.76,51.038 h1.5; Top Overlay "1" at 66.852,51.897 h1.5 r180
JP5: M14-Top Assembly "1" at 57.796,36.798 h1.5; Top Overlay "1" at 59.868,37.714 h1.5 r180
LD1: M14-Top Assembly "K" at 71.162,13.728 h0.75
LD2: M14-Top Assembly "K" at 60.148,38.263 h0.75
LD3: M14-Top Assembly "C2" at 47.354,26.908 h0.75; M14-Top Assembly "C1" at 48.941,29.623 h0.75; M14-Top Assembly "R" at 49.354,28.108 h1.5; M14-Top Assembly "A2" at 47.307,29.657 h0.75; M14-Top Assembly "G" at 47.647,28.125 h1.5; M14-Top Assembly "A1" at 48.854,26.908 h0.75; Top Overlay "G" at 48.604,29.083 h1.5 r180; Top Overlay "1" at 51.079,30.783 h1.5 r180; Top Overlay "R" at 49.929,29.083 h1.5 r180
LD4: M14-Top Assembly "Com" at 53.943,46.272 h0.75; M14-Top Assembly "R" at 56.278,46.309 h0.75; M14-Top Assembly "A1" at 53.036,46.294 h0.75; M14-Top Assembly "K4" at 57.028,48.1 h0.75; M14-Top Assembly "K2" at 53.025,48.018 h0.75; M14-Top Assembly "B" at 54.189,47.973 h0.75; M14-Top Assembly "G" at 56.17,47.973 h0.75; M14-Top Assembly "K3" at 56.96,46.309 h0.75; Top Overlay "1" at 54.32,45.352 h1.5 r90; Top Overlay "R" at 56.07,47.327 h1.2 r180
LDIR1: M14-Top Assembly "K" at 92.466,52.551 h1.5; M14-Top Assembly "A" at 89.841,52.551 h1.5; Top Overlay "A" at 88.594,53.88 h1; Top Overlay "K" at 93.928,53.931 h1; Drill Drawing "CUT OUT" at 89.141,55.259 h1.2; Drill Drawing "OUTLINE" at 89.266,56.515 h1.2; Drill Drawing "BOARD" at 89.766,57.765 h1.2
U1: M14-Top Assembly "66" at 25.15,55.138 h0.45; M14-Top Assembly "67" at 26.05,55.138 h0.45; M14-Top Assembly "68" at 26.95,55.138 h0.45; M14-Top Assembly "69" at 27.85,55.138 h0.45; M14-Top Assembly "65" at 25.15,56.038 h0.45; M14-Top Assembly "80" at 26.05,56.038 h0.45; M14-Top Assembly "81" at 26.95,56.038 h0.45; M14-Top Assembly "70" at 27.85,56.038 h0.45; M14-Top Assembly "64" at 25.15,56.938 h0.45; M14-Top Assembly "79" at 26.05,56.938 h0.45; M14-Top Assembly "82" at 26.95,56.938 h0.45; M14-Top Assembly "71" at 27.85,56.938 h0.45; M14-Top Assembly "63" at 25.15,57.838 h0.45; M14-Top Assembly "78" at 26.05,57.838 h0.45; M14-Top Assembly "83" at 26.95,57.838 h0.45; M14-Top Assembly "72" at 27.85,57.838 h0.45; M14-Top Assembly "62" at 25.15,58.738 h0.45; M14-Top Assembly "77" at 26.05,58.738 h0.45; M14-Top Assembly "84" at 26.95,58.738 h0.45; M14-Top Assembly "73" at 27.85,58.738 h0.45; M14-Top Assembly "74" at 27.85,59.638 h0.45; M14-Top Assembly "75" at 26.95,59.638 h0.45; M14-Top Assembly "76" at 26.05,59.638 h0.45; M14-Top Assembly "61" at 25.15,59.638 h0.45; M14-Top Assembly "48" at 29.165,61.008 h0.45; M14-Top Assembly "47" at 29.665,61.008 h0.45; M14-Top Assembly "46" at 29.665,60.533 h0.45; M14-Top Assembly "18" at 23.79,53.758 h0.45; M14-Top Assembly "17" at 23.315,53.758 h0.45; M14-Top Assembly "16" at 23.315,54.233 h0.45; M14-Top Assembly "2" at 23.415,60.533 h0.45; M14-Top Assembly "60" at 23.79,61.008 h0.45; M14-Top Assembly "1" at 23.44,61.008 h0.45; M14-Top Assembly "30" at 29.165,53.758 h0.45; M14-Top Assembly "31" at 29.69,53.758 h0.45; M14-Top Assembly "32" at 29.665,54.233 h0.45; M14-Top Assembly "86" at 29.54,63.983 h0.45; M14-Top Assembly "85" at 23.44,63.983 h0.45; Top Overlay "1" at 22.515,60.783 h1.5
U2: M14-Top Assembly "5" at 75.075,43.74 h0.5 r90; M14-Top Assembly "10" at 73.475,43.64 h0.5 r90; M14-Top Assembly "9" at 73.25,44.265 h0.5; M14-Top Assembly "6" at 74.775,44.265 h0.5; M14-Top Assembly "4" at 74.775,43.09 h0.5; M14-Top Assembly "1" at 73.3,43.09 h0.5; Top Overlay "1" at 72.65,42.715 h1.3
U3: M14-Top Assembly "1" at 13.323,6.826 h0.75 r90; M14-Top Assembly "2" at 13.348,7.976 h0.75 r90
U4: M14-Top Assembly "6" at 72.788,61.992 h0.6 r90; M14-Top Assembly "5" at 72.788,62.642 h0.6 r90; M14-Top Assembly "4" at 72.788,63.292 h0.6 r90; M14-Top Assembly "3" at 74.438,63.292 h0.6 r90; M14-Top Assembly "2" at 74.438,62.642 h0.6 r90; M14-Top Assembly "1" at 74.438,62.042 h0.6 r90; M14-Top Assembly "7" at 73.588,62.642 h0.6 r90
U5: M14-Top Assembly "1" at 55.343,62.909 h0.5 r90; M14-Top Assembly "4" at 55.343,61.284 h0.5 r90; M14-Top Assembly "7" at 56.718,61.034 h0.5; M14-Top Assembly "5" at 55.718,61.034 h0.5; M14-Top Assembly "11" at 57.693,62.734 h0.5 r90; M14-Top Assembly "8" at 57.693,61.309 h0.5 r90; M14-Top Assembly "12" at 56.593,62.959 h0.5; M14-Top Assembly "14" at 55.618,62.959 h0.5
U6: M14-Top Assembly "RESTRICTED ZONE H = 1mm" at 46.382,63.938 h0.3; M14-Top Assembly "PROTECTIVE LINE" at 46.957,64.238 h0.3; M14-Top Assembly "1" at 46.552,63.128 h0.5; M16-Top Courtyard "RESTRICTED ZONE H = 1mm" at 46.382,63.938 h0.3; M16-Top Courtyard "PROTECTIVE LINE" at 46.957,64.238 h0.3
U7: M14-Top Assembly "3" at 65.927,62.257 h1 r90; M14-Top Assembly "4" at 64.577,62.257 h1 r90; M14-Top Assembly "2" at 65.995,61.253 h1 r90; M14-Top Assembly "1" at 64.366,61.474 h1 r90; Top Overlay "1" at 63.715,59.876 h1.5 r90
U8: M14-Top Assembly "16" at 39.371,42.871 h1.5; M14-Top Assembly "9" at 48.571,42.871 h1.5; M14-Top Assembly "8" at 48.571,33.221 h1.5; M14-Top Assembly "1" at 39.796,33.196 h1.5; Top Overlay "1" at 39.096,33.171 h1.5
U9: M14-Top Assembly "3" at 68.675,30.158 h1.5 r90; M14-Top Assembly "2" at 68.65,27.858 h1.5 r90; M14-Top Assembly "1" at 68.625,25.708 h1.5 r90; M14-Top Assembly "4" at 62.9,27.883 h1.5 r90; Top Overlay "1" at 68.575,24.683 h1.5 r90
U10: Top Overlay "1" at 73.376,36.115 h1.5 r90
U11: Top Overlay "1" at 70.345,18.046 h1.5 r270
U12: Bottom Overlay "1" at 28.817,28.996 h1.5
U13: Top Overlay "1" at 69.128,8.183 h1.5 r270
U14: M14-Top Assembly "1" at 15.43,8.35 h0.5 r180; M14-Top Assembly "2" at 14.955,8.35 h0.5 r180; M14-Top Assembly "3" at 14.455,8.35 h0.5 r180; M14-Top Assembly "4" at 14.465,7.167 h0.5 r180; M14-Top Assembly "5" at 14.955,7.175 h0.5 r180; M14-Top Assembly "6" at 15.455,7.175 h0.5 r180; Top Overlay "1" at 15.852,7.893 h1.3
U15: M14-Top Assembly "1" at 58.672,14.766 h1.5 r90; Top Overlay "1" at 58.772,14.691 h1.5 r90
U16: M14-Top Assembly "2" at 53.684,6.96 h0.75 r90; M14-Top Assembly "1" at 53.659,5.81 h0.75 r90
U17: M14-Top Assembly "1" at 55.714,7.334 h0.5 r180; M14-Top Assembly "2" at 55.239,7.334 h0.5 r180; M14-Top Assembly "3" at 54.739,7.334 h0.5 r180; M14-Top Assembly "4" at 54.749,6.151 h0.5 r180; M14-Top Assembly "5" at 55.239,6.159 h0.5 r180; M14-Top Assembly "6" at 55.739,6.159 h0.5 r180; Top Overlay "1" at 56.439,7.684 h1.3 r180
U18: M15-Bottom Assembly "8" at 53.224,49.332 h0.75; M15-Bottom Assembly "5" at 53.224,45.532 h0.75; M15-Bottom Assembly "4" at 58.324,45.532 h0.75; M15-Bottom Assembly "1" at 58.299,49.332 h0.75; Bottom Overlay "1" at 58.047,50.163 h1.5 r270
U19: M14-Top Assembly "OLED Display 128x64 Dots" at 23.425,28.839 h1.8; M14-Top Assembly "1" at 25.705,19.809 h0.75; Top Overlay "OLED Display 128x64 Dots" at 23.425,28.839 h1.8; Top Overlay "1" at 25.705,19.809 h1.5